# Altium PCB DIOT_Backplane.pcbdoc (part 11 of 11) (continued)
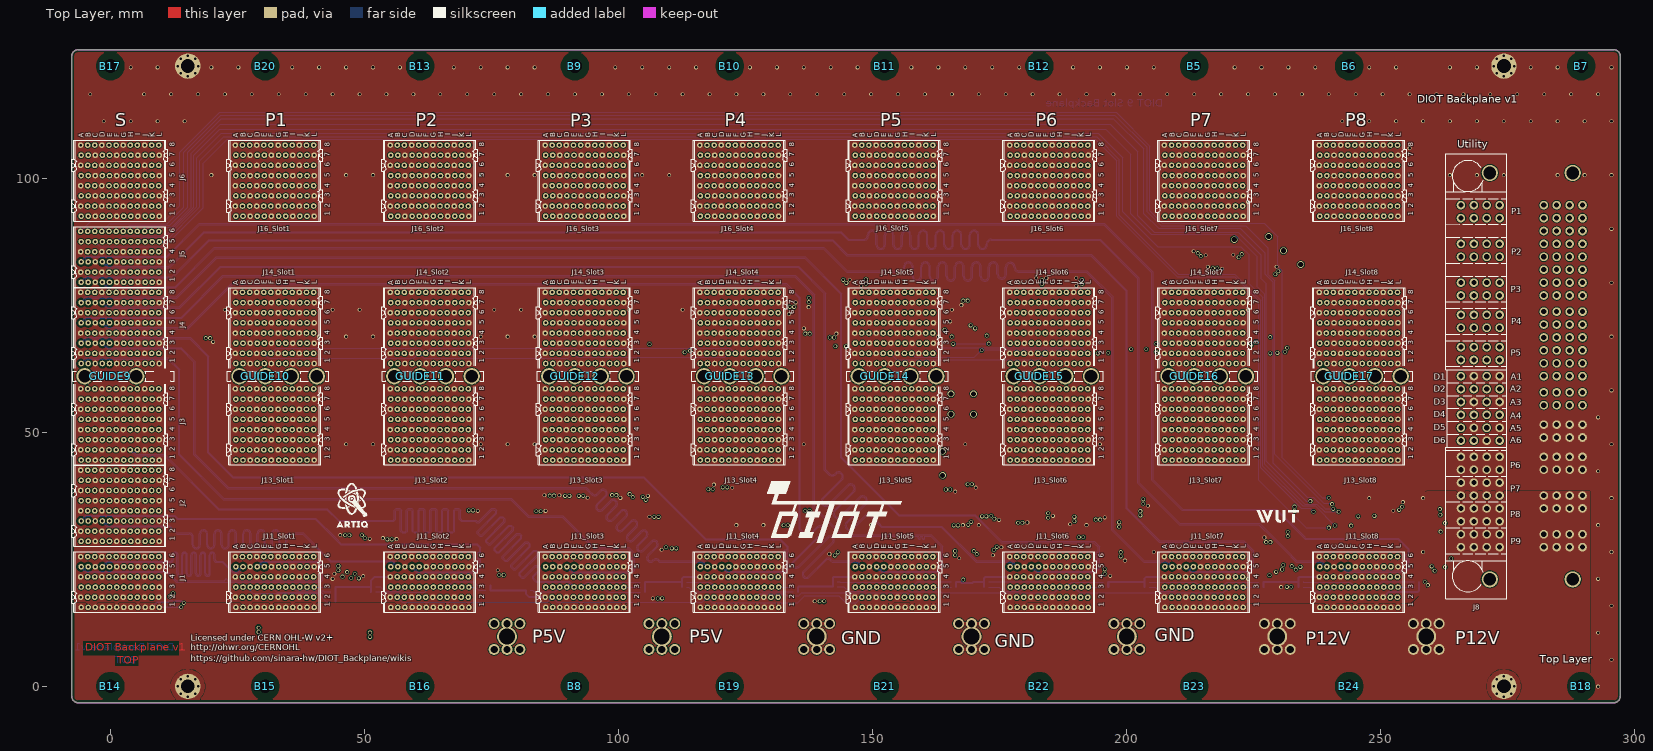
[diagram p0: Top Layer view]
## Nets (pads, with @x,y where several pads share a name; then routed paths per layer and width w, separated by ;. In a path a pad name is that pad's centre, name@x,y a point inside that pad or via, vN(x,y) a via of type N, cw(c..) or ccw(c..) an arc to the next point about the centre after c; other vN are vias at no path point) (continued)

## Polygon pours and split planes (outlines as drawn)
no net on Bottom Courtyard "Board" (solid, pour order 166): -7.599,-1.997 -7.599,124.103 cw(c-6.399,124.103) -6.399,125.303 296.001,125.303 cw(c296.001,124.103) 297.201,124.103 297.201,-1.997 cw(c296.001,-1.997) 296.001,-3.197 -6.399,-3.197 cw(c-6.399,-1.997)
P12V on Bottom Layer "P12V" (solid, remove dead copper, pour order 111): 254.731,-2.716 291.206,-2.738 291.206,38.421 258.941,38.43 258.94,19.17 256.071,16.301 -7.016,16.371 -7.016,13.806 -7.008,13.806 -7.008,-2.7 254.731,-2.7
Vext4 on Bottom Layer "Vext4" (solid, remove dead copper, pour order 164): 264.369,68.899 273.807,68.899 279.533,73.487 cw(c283.969,67.951) 283.969,75.045 292.044,75.045 292.044,80.862 281.02,80.862 273.781,75.274 264.32,75.274 264.32,75.05 260.12,75.05 254.42,69.35 254.42,59.45 253.02,58.05 234.72,58.05 233.02,56.35 233.02,44.55 239.02,38.55 258.22,38.55 264.02,44.35 264.02,68.55
Vext1 on Bottom Layer "Vext1" (solid, remove dead copper, pour order 163): 264.176,90.006 274.416,90.006 280.995,91.022 292.044,91.022 292.044,97.016 264.32,97.016 264.32,97.05 236.72,97.05 231.62,91.95 231.62,62.95 245.02,62.95 245.02,74.322 260.699,90.001 264.171,90.001
Vext2 on Bottom Layer "Vext2" (solid, remove dead copper, pour order 102): 292.044,85.885 280.481,85.885 274.264,81.954 264.32,81.954 264.32,90.006 274.416,90.006 280.995,91.022 292.044,91.022
Vext3 on Bottom Layer "Vext3" (solid, remove dead copper, pour order 104): 292.046,85.885 280.481,85.885 274.264,81.954 264.32,81.954 264.32,75.274 273.781,75.274 281.02,80.862 292.044,80.862
Vext2 on L10 "Vext2" (solid, remove dead copper, pour order 162): 273.156,81.694 279.702,85.833 291.266,85.833 291.266,90.97 280.217,90.97 272.574,89.79 227.02,89.79 227.02,88.05 233.376,81.694 253.42,81.694 253.42,65.55 249.16,65.55 248.94,61.05 254.02,61.05 254.02,61.15 259.52,61.15 259.52,81.694
Vext3 on L10 "Vext3" (solid, remove dead copper, pour order 161): 265.02,75.222 273.003,75.222 280.242,80.81 291.266,80.81 291.268,85.833 279.702,85.833 273.403,81.85 259.82,81.85 256.62,78.65 256.62,61.15 253.69,58.22 253.26,58.65 233.22,58.65 233.22,44.35 236.72,40.85 258.02,40.85 259.62,42.45 259.62,52.85 264.92,58.15 264.92,75.164 cw(c265.262,74.691)
Vext3 on L10 "Vext3" (solid, remove dead copper, pour order 142): 110.82,58.55 110.82,38.05 153.62,38.05 153.62,58.55
P12V on L10 "P12V" (solid, remove dead copper, pour order 123): 264.608,36.428 264.65,36.385 274.979,36.385 274.979,19.309 264.42,8.75 235.52,8.75 235.52,15.55 237.02,17.05 257.32,17.05 264.62,24.35 264.62,30.85
Vext1 on L10 "Vext1" (solid, remove dead copper, pour order 129): 263.597,96.964 263.597,89.954 273.638,89.954 280.217,90.97 291.266,90.97 291.266,96.964
Vext4 on L10 "Vext4" (solid, remove dead copper, pour order 132): 291.266,80.81 280.242,80.81 273.003,75.222 265.02,75.222 265.02,68.847 273.028,68.847 280.699,74.993 291.266,74.993
P5V on L2 "P5V" (solid, remove dead copper, pour order 116): 253.54,-2.7 291.358,-2.704 291.358,68.492 264.82,68.492 264.82,62.803 273.265,62.803 273.27,62.8 274.52,61.55 274.52,21.55 269.27,16.3 254.042,16.3 -7.01,16.32 -7.01,13.8 -7.008,13.8 -7.008,-2.7
Vext3 on L2 "Vext3" (solid, remove dead copper, pour order 156): 265.72,74.45 272.732,74.45 280.842,80.71 291.866,80.71 291.868,85.733 280.302,85.733 274.051,81.636 264.22,81.45 235.82,81.45 235.82,41.25 237.82,39.25 258.92,39.25 263.32,43.65 263.32,56.45 264.52,57.65 264.52,73.25
Vext4 on L2 "Vext4" (solid, remove dead copper, pour order 94): 36.562,50.092 32.52,46.05 32.52,42.75 120.657,42.75 123.357,40.05 165.044,40.05 165.044,50.164
Vext2 on L2 "Vext2" (solid, remove dead copper, pour order 84): 23.42,65.55 23.42,50.55 170.632,50.55 170.632,65.55
Vext2 on L2 "Vext2" (solid, remove dead copper, pour order 155): 264.197,81.592 274.086,81.802 280.302,85.733 291.866,85.733 291.866,90.87 280.817,90.87 274.238,89.854 264.197,89.854 264.197,89.704 226.92,89.704 226.92,88.25 233.564,81.606 264.197,81.652
Vext1 on L2 "V1" (solid, remove dead copper, pour order 134): 264.197,96.864 264.197,89.854 274.238,89.854 280.817,90.87 291.866,90.87 291.866,96.864
Vext4 on L12 "Vext4" (solid, remove dead copper, pour order 140): 255.42,37.05 264.82,46.45 264.82,67.25 265.935,68.365 274.899,68.365 275.788,69.254 275.788,74.309 274.696,75.401 257.871,75.401 256.02,73.55 256.02,58.55 153.52,58.55 153.52,37.05
Vext1 on L12 "Vext1" (solid, remove dead copper, pour order 97): 274.72,97.35 263.72,97.35 259.12,97.35 250.02,88.25 236.72,88.25 233.52,85.05 233.52,61.15 236.02,58.65 255.92,58.65 255.92,79.25 264.12,87.45 264.92,88.25 274.72,88.25
GND on Top Layer "GND" (solid, remove dead copper, pour order 115): -7.143,-2.704 -7.12,124.8 297.201,124.8 297.201,-2.745 281.47,-2.74 281.47,-2.7 269.77,-2.7
P12V on Top Layer "P12V" (solid, remove dead copper, pour order 74): 254.731,-2.716 291.206,-2.738 291.206,38.421 258.941,38.43 258.94,19.07 256.171,16.301 -7.016,16.371 -7.016,13.806 -7.008,13.806 -7.008,-2.7 254.731,-2.7
Vext4 on L4 "Vext4" (solid, remove dead copper, pour order 158): 281.299,74.893 291.866,74.893 291.866,80.71 280.842,80.71 274.063,75.477 260.599,75.477 259.024,73.902 259.024,50.667 254.987,46.63 cw(c255.02,46.597) 255.02,46.55 31.491,46.55 31.491,36.25 259.675,36.25 264.459,41.035 264.459,46.55 264.459,67.298 265.348,68.187 275.331,68.187 275.331,70.111
P12V on L4 "P12V" (solid, remove dead copper, pour order 159): 254.731,-2.716 291.206,-2.738 291.206,38.421 259.821,38.43 259.819,19.949 257.42,17.55 248.14,17.55 246.893,16.303 -7.016,16.371 -7.016,13.806 -7.008,13.806 -7.008,-2.7 254.731,-2.7
Vext1 on L4 "Vext1" (solid, remove dead copper, pour order 86): 258.998,64.732 258.998,82.228 265.481,88.711 275.788,88.711 275.788,96.991 255.836,96.991 254.122,95.277 254.122,65.652 cw(c253.37,65.652) 253.37,64.9 23.063,64.9 23.04,46.65 254.52,46.65 258.998,51.128
Vext3 on L6 "Vext3" (solid, remove dead copper, pour order 88): 265.72,67.85 276.432,67.85 276.432,80.557 261.462,80.557 260.125,79.22 260.125,50.264 256.447,46.586 23.21,46.586 23.21,35.15 264.82,35.15 264.82,66.95 cw(c265.72,66.95)
Vext1 on L6 "Vext1" (solid, remove dead copper, pour order 160): 259.972,82.702 266.016,88.746 276.889,88.746 276.889,97.027 259.972,97.027 255.295,92.35 173.12,92.35 173.12,64.936 23.091,64.936 23.068,46.65 259.972,46.65
P12V on L8 "P12V" (solid, remove dead copper, pour order 157): 254.731,-2.716 291.206,-2.738 291.206,38.421 259.72,38.43 259.719,19.849 257.42,17.55 234.22,17.55 232.977,16.307 -7.016,16.371 -7.016,13.806 -7.008,13.806 -7.008,-2.7 254.731,-2.7
Vext3 on L8 "Vext3" (solid, remove dead copper, pour order 90): 264.72,67.85 275.991,67.85 275.991,80.55 265.42,80.55 258.668,73.798 258.668,50.509 254.709,46.55 23.515,46.55 23.515,42.889 30.254,36.15 259.625,36.15 264.72,41.245
Vext2 on L8 "Vext2" (solid, remove dead copper, pour order 154): 265.62,80.95 275.991,80.95 275.991,91.95 248.62,91.95 247.22,90.55 23.12,90.55 23.12,65.05 23.115,65.05 23.093,46.443 258.694,46.552 258.694,64.9 258.694,74.024
no net on Drill Drawing "CM-eq" (hatched 45Degree grid 2 track 0.15, remove dead copper): 210.54,184.65 210.54,181.65 240.54,181.65 240.54,180.15 260.54,180.15 260.54,181.65 255.54,181.65 255.54,184.65
no net on Drill Drawing "CM-eq" (hatched 45Degree grid 2 track 0.15, remove dead copper): 180.54,136.65 180.54,139.65 200.54,139.65 200.54,136.65
no net on Drill Drawing "CM-eq" (hatched 45Degree grid 2 track 0.15, remove dead copper): 210.54,136.65 210.54,139.65 240.54,139.65 240.54,141.15 260.54,141.15 260.54,139.65 255.54,139.65 255.54,136.65
no net on Drill Drawing "CM-eq" (hatched 45Degree grid 2 track 0.15, remove dead copper, pour order 167): 180.54,181.65 180.54,184.65 200.54,184.65 200.54,181.65
GND on L11GND "GND" (solid, remove dead copper, pour order 65): -7.48,-2.55 -7.48,124.8 297.201,124.8 297.201,-2.745 281.47,-2.74 281.47,-2.7 269.77,-2.7
GND on L13GND "GND" (solid, remove dead copper, pour order 64): -7.48,-2.55 -7.48,124.8 297.201,124.8 297.201,-2.745 281.47,-2.74 281.47,-2.7 269.77,-2.7 269.77,-2.725
GND on L9GND "GND" (solid, remove dead copper, pour order 67): -7.48,-2.55 -7.48,124.8 297.201,124.8 297.201,-2.745 281.47,-2.74 281.47,-2.725 269.77,-2.725
GND on L5GND "GND" (solid, remove dead copper, pour order 68): -7.48,-2.725 -7.48,124.8 297.201,124.8 297.201,-2.745 281.47,-2.74 281.47,-2.725
GND on L3GND "GND" (solid, remove dead copper, pour order 69): -7.48,-2.774 -7.48,124.723 296.727,124.723 296.727,-2.772 280.996,-2.767 269.296,-2.767 269.296,-2.949
GND on L7GND "GND" (solid, remove dead copper, pour order 108): -7.48,-2.55 -7.48,124.8 297.201,124.8 297.201,-2.745 281.47,-2.74 281.47,-2.725 269.77,-2.725

## Keep-outs
Edge.Cuts:
  the board outline again, w0.2

## Other copper
Top Layer:
  text "DIOT Backplane v1" at -4.975,6.986 h1.5
  text "TOP" at 1.375,4.446 h1.5
  text ".Layer_Name" at 113.18,-25.2 h1.91 r45
  text "1" at 112.878,-30.28 h2.54
L2:
  text ".Layer_Name" at 118.26,-25.2 h1.91 r45
  text "2" at 117.414,-30.28 h2.54
L3GND:
  text ".Layer_Name" at 123.34,-25.2 h1.91 r45
  text "3" at 122.494,-30.28 h2.54
L4:
  text ".Layer_Name" at 128.42,-25.2 h1.91 r45
  text "4" at 127.513,-30.28 h2.54
L5GND:
  text ".Layer_Name" at 133.5,-25.2 h1.91 r45
  text "5" at 132.654,-30.28 h2.54
L8:
  pour cut-out: 10.577,16.367 18.194,8.75 68.72,8.75 76.22,16.25
  pour cut-out: 107.644,16.341 111.734,12.25 131.92,12.25 136.02,16.35
  text ".Layer_Name" at 148.74,-25.2 h1.91 r45
  text "8" at 147.894,-30.28 h2.54
L9GND:
  text ".Layer_Name" at 153.82,-25.2 h1.91 r45
  text "9" at 153.034,-30.28 h2.54
L10:
  rectangle net Vext2: 219.62,86.75 229.492,89.8
  text ".Layer_Name" at 158.9,-25.2 h1.91 r45
  text "10" at 157.122,-30.28 h2.54
L11GND:
  text ".Layer_Name" at 163.98,-25.2 h1.91 r45
  text "11" at 162.747,-30.28 h2.54
L12:
  text ".Layer_Name" at 169.06,-25.2 h1.91 r45
  text "12" at 167.282,-30.28 h2.54
L13GND:
  text ".Layer_Name" at 174.14,-25.2 h1.91 r45
  text "13" at 172.362,-30.28 h2.54
L6:
  pour cut-out: 146.277,58.911 146.277,58.168 146.27,58.161 146.277,58.153 152.248,58.153 152.248,58.933 152.234,58.947
  pour cut-out: 184.19,58.136 184.18,58.147 176.75,58.147 176.75,58.915 176.761,58.926 176.856,58.831 184.222,58.831
  text ".Layer_Name" at 138.58,-25.2 h1.91 r45
  text "6" at 137.794,-30.28 h2.54
L7GND:
  text ".Layer_Name" at 143.66,-25.2 h1.91 r45
  text "7" at 142.814,-30.28 h2.54
Bottom Layer:
  text "DIOT 9 Slot Backplane" at 207.27,114.05 h1.5
  text "DIOT Backplane v1" at 12.689,6.992 h1.5
  text "BOT" at 5.185,4.446 h1.5
  text ".Layer_Name" at 179.22,-25.2 h1.91 r45
  text "14" at 177.382,-30.28 h2.54

## Silkscreen, mask and mechanical layers (free items; w line width, h text height)
Top Overlay:
  drawing of 28 lines, arcs and shapes, not listed
  text "DIOT Backplane v1" at 257.245,114.919 h1.5
  text "S" at 0.917,110.267 h2.5
  text "P1" at 30.493,110.267 h2.5
  text "P2" at 60.136,110.267 h2.5
  text "P4" at 120.941,110.267 h2.5
  text "P5" at 151.536,110.267 h2.5
  text "P6" at 182.131,110.267 h2.5
  text "P7" at 212.536,110.267 h2.5
  text "P8" at 243.036,110.267 h2.5
  text "P3" at 90.536,110.167 h2.5
  text "Utility" at 265.12,106.05 h1.5
  text "Licensed under CERN OHL-W v2+" at 15.813,8.957 h1.2
  text "GND" at 205.62,8.85 h2.5
  text "P5V" at 83.02,8.55 h2.5
  text "P5V" at 113.92,8.55 h2.5
  text "GND" at 143.82,8.25 h2.5
  text "P12V" at 264.72,8.25 h2.5
  text "P12V" at 235.32,8.15 h2.5
  text "GND" at 174.12,7.65 h2.5
  text "http://ohwr.org/CERNOHL" at 15.813,7.057 h1.2
  text "https://github.com/sinara-hw/DIOT_Backplane/wikis" at 15.813,4.957 h1.2
  text "Top Layer" at 281.32,4.65 h1.5
  text ".Layer_Name" at 184.3,-25.2 h1.91
Bottom Overlay:
  text "DIOT Backplane v1" at 273.22,114.95 h1.5
  text "P2" at 65.863,110.267 h2.5
  text "S" at 3.183,110.167 h2.5
  text "P1" at 34.606,110.167 h2.5
  text "P3" at 96.463,110.167 h2.5
  text "P4" at 127.059,110.167 h2.5
  text "P5" at 157.463,110.167 h2.5
  text "P6" at 187.868,110.167 h2.5
  text "P7" at 218.463,110.167 h2.5
  text "P8" at 248.863,110.167 h2.5
  text "EXT PSU" at 288.72,105.65 h1.5
  text "P5V" at 72.92,8.65 h2.5
  text "P5V" at 103.82,8.65 h2.5
  text "GND" at 164.62,8.65 h2.5
  text "P12V" at 253.22,8.65 h2.5
  text "GND" at 133.92,8.55 h2.5
  text "GND" at 195.52,8.55 h2.5
  text "P12V" at 224.32,8.35 h2.5
  text "Bottom / Layer" at 291.02,3.95 h1.5
  text ".Layer_Name" at 221.892,-25.2 h1.91
F.Paste:
  text ".Layer_Name" at 184.3,-28.375 h1.91
B.Paste:
  text ".Layer_Name" at 221.892,-28.375 h1.91
Top Solder:
  text ".Layer_Name" at 184.3,-31.55 h1.91
Bottom Solder:
  text ".Layer_Name" at 221.892,-31.55 h1.91
Mechanical 1:
  lines w0.8: -7.6,124.1 cw(c-6.4,124.1) -6.4,125.3 295.98,125.3 ; -7.6,124.103 -7.6,-2 ccw(c-6.4,-2) -6.4,-3.2 296.001,-3.2 ; 296,-3.2 ccw(c296,-2) 297.2,-2 297.2,124.103 ; 296,125.3 cw(c296,124.1) 297.2,124.1
Mechanical 2:
  text "Components" at 237.18,-21.33 h1.91
  text ".Component_Count" at 254.96,-21.33 h1.91
  text "Pins" at 237.18,-23.87 h1.91
  text ".Pad_Count" at 254.96,-23.87 h1.91
  text "Vias" at 237.18,-26.41 h1.91
  text ".Via_Count" at 254.96,-26.41 h1.91
  text "Holes" at 237.18,-28.95 h1.91
  text ".Hole_Count" at 254.96,-28.95 h1.91
  text "Nets" at 237.18,-31.49 h1.91
  text ".Net_Count" at 254.96,-31.49 h1.91
Mechanical 5:
  lines w0.2: -12.599,-3.2 -7.58,-3.2 -7.58,-8.2 ; -12.599,125.3 -7.58,125.3 -7.58,130.3 ; 297.201,-8.2 297.201,-3.2 302.201,-3.2 ; 297.201,130.3 297.201,125.3 302.201,125.3
  lines w0.254: 115.72,-31.55 115.72,-26.47 ; 120.8,-31.55 120.8,-26.47 ; 125.88,-31.55 125.88,-26.47 ; 130.96,-31.55 130.96,-26.47 ; 136.04,-31.55 136.04,-26.47 ; 141.12,-31.55 141.12,-26.47 ; 146.2,-31.55 146.2,-26.47 ; 151.28,-31.55 151.28,-26.47 ; 156.36,-31.55 156.36,-26.47 ; 161.44,-31.55 161.44,-26.47 ; 166.52,-31.55 166.52,-26.47 ; 171.6,-31.55 171.6,-26.47 ; 176.68,-31.55 176.68,-26.47 ; 110.64,-31.55 181.76,-31.55 181.76,-26.47 110.64,-26.47 110.64,-31.55
Drill Drawing:
  drawing of 236 lines, arcs and shapes, not listed
  text "Symbol" at -18.338,191.682 h1.83
  text "Hit Count" at -6.715,191.682 h1.83
  text "Finished Hole Size" at 8.094,191.682 h1.83
  text "Plated" at 33.691,191.682 h1.83
  text "Via/Pad" at 43.772,191.682 h1.83
  text "Hole Tolerance" at 56.248,191.682 h1.83
  text "Description" at 80.592,191.682 h1.83
  text "Via Feature" at 103.643,191.682 h1.83
  text "Via Type" at 132.935,191.682 h1.83
  text "LINE (mm)" at 188.114,189.085 h1.27
  text "CONTROLLED IMPEDANCE +/-10%" at 214.664,188.947 h1.27
  text "Er" at 257.299,188.265 h1.27
  text "LAYER IDENTIFICATION" at 159.411,187.918 h1.27
  text "429" at -6.715,187.872 h1.52
  text "0.50mm (19.69mil)" at 8.094,187.872 h1.52
  text "PTH" at 33.691,187.872 h1.52
  text "Via" at 43.772,187.872 h1.52
  text "FINISHED COPPER THICKNESS" at 200.874,186.973 h1.27
  text "DIELECTRIC THICKNESS *=CRITICAL" at 243.135,186.223 h1.27
  text "WIDTH/GAP" at 191.358,185.66 h1.14
  text "WIDTH" at 183.423,185.579 h1.14
  text "SINGLE" at 215.319,185.515 h1.27
  text "DIFFERENTIAL" at 227.622,185.515 h1.27
  text "32" at -6.715,184.062 h1.52
  text "0.50mm (19.69mil)" at 8.094,184.062 h1.52
  text "PTH" at 33.691,184.062 h1.52
  text "Via" at 43.772,184.062 h1.52
  text "Filling Both, Capping Both" at 103.643,184.062 h1.52
  text "Type 7" at 132.935,184.062 h1.52
  text "TOP SOLDER" at 152.728,182.515 h1.27
  text "SOLDER RESIST" at 166.531,182.515 h1.27
  text "10 um" at 202.846,182.515 h1.27
  text "3.5" at 256.852,182.515 h1.27
  text "3504" at -6.715,180.252 h1.52
  text "0.50mm (19.69mil)" at 8.094,180.252 h1.52
  text "PTH" at 33.691,180.252 h1.52
  text "Pad" at 43.772,180.252 h1.52
  text "+/-0.05mm" at 56.248,180.252 h1.52
  text "PressFit Technology" at 80.592,180.252 h1.52
  text "- / -" at 193.349,179.715 h1.02
  text "-" at 184.996,179.606 h1.27
  text "-" at 217.496,179.606 h1.27
  text "-" at 232.496,179.606 h1.27
  text "TOP LAYER" at 153.294,179.515 h1.27
  text "GND PLANE" at 168.158,179.515 h1.27
  text "35 um" at 202.747,179.515 h1.27
  text "* 0.180 mm" at 242.719,178.015 h1.27
  text "4.3" at 256.852,178.015 h1.27
  text "0.1 / 0.13" at 192.062,176.715 h1.02
  text "-" at 184.996,176.606 h1.27
  text "-" at 217.496,176.606 h1.27
  text "LAYER 2" at 154.424,176.515 h1.27
  text "SIGNAL LAYER" at 167.03,176.515 h1.27
  text "17.5 um" at 202.082,176.515 h1.27
  text "100 ohm" at 229.249,176.515 h1.27
  text "192" at -6.715,176.442 h1.52
  text "1.00mm (39.37mil)" at 8.094,176.442 h1.52
  text "PTH" at 33.691,176.442 h1.52
  text "Pad" at 43.772,176.442 h1.52
  text "+/-0.05mm" at 56.248,176.442 h1.52
  text "PressFit Technology" at 80.592,176.442 h1.52
  text "* 0.200 mm" at 242.619,175.015 h1.27
  text "4.3" at 256.852,175.015 h1.27
  text "- / -" at 193.349,173.715 h1.02
  text "-" at 184.996,173.606 h1.27
  text "-" at 217.496,173.606 h1.27
  text "-" at 232.496,173.606 h1.27
  text "LAYER 3" at 154.424,173.515 h1.27
  text "GND PLANE" at 168.158,173.515 h1.27
  text "17.5 um" at 202.082,173.515 h1.27
  text "10" at -6.715,172.632 h1.52
  text "1.00mm (39.37mil)" at 8.094,172.632 h1.52
  text "PTH" at 33.691,172.632 h1.52
  text "Via" at 43.772,172.632 h1.52
  text "* 0.180 mm" at 242.719,172.015 h1.27
  text "4.3" at 256.852,172.015 h1.27
  text "0.1 / 0.13" at 192.062,170.715 h1.02
  text "-" at 184.996,170.606 h1.27
  text "-" at 217.496,170.606 h1.27
  text "LAYER 4" at 154.394,170.515 h1.27
  text "SIGNAL LAYER" at 167.03,170.515 h1.27
  text "17.5 um" at 202.082,170.515 h1.27
  text "100 ohm" at 229.249,170.515 h1.27
  text "* 0.200 mm" at 242.619,169.015 h1.27
  text "4.3" at 256.852,169.015 h1.27
  text "42" at -6.715,168.822 h1.52
  text "1.45mm (57.09mil)" at 8.094,168.822 h1.52
  text "PTH" at 33.691,168.822 h1.52
  text "Pad" at 43.772,168.822 h1.52
  text "+0.08mm/-0.03mm" at 56.248,168.822 h1.52
  text "Pressfit Technology" at 80.592,168.822 h1.52
  text "- / -" at 193.349,167.715 h1.02
  text "-" at 184.996,167.606 h1.27
  text "-" at 217.496,167.606 h1.27
  text "-" at 232.496,167.606 h1.27
  text "LAYER 5" at 154.424,167.515 h1.27
  text "GND PLANE" at 168.158,167.515 h1.27
  text "17.5 um" at 202.082,167.515 h1.27
  text "* 0.180 mm" at 242.719,166.015 h1.27
  text "4.3" at 256.852,166.015 h1.27
  text "4" at -6.715,165.012 h1.52
  text "2.50mm (98.43mil)" at 8.094,165.012 h1.52
  text "NPTH" at 33.691,165.012 h1.52
  text "Pad" at 43.772,165.012 h1.52
  text "+/-0.00mm" at 56.248,165.012 h1.52
  text "PressFit Technology" at 80.592,165.012 h1.52
  text "0.1 / 0.13" at 192.062,164.715 h1.02
  text "-" at 184.996,164.606 h1.27
  text "-" at 217.496,164.606 h1.27
  text "LAYER 6" at 154.455,164.515 h1.27
  text "SIGNAL LAYER" at 167.03,164.515 h1.27
  text "17.5 um" at 202.082,164.515 h1.27
  text "100 ohm" at 229.249,164.515 h1.27
  text "* 0.200 mm" at 242.619,163.015 h1.27
  text "4.3" at 256.852,163.015 h1.27
  text "- / -" at 193.349,161.715 h1.02
  text "-" at 184.996,161.606 h1.27
  text "-" at 217.496,161.606 h1.27
  text "-" at 232.496,161.606 h1.27
  text "LAYER 7" at 154.424,161.515 h1.27
  text "GND PLANE" at 168.158,161.515 h1.27
  text "17.5 um" at 202.082,161.515 h1.27
  text "34" at -6.715,161.202 h1.52
  text "2.50mm (98.43mil)" at 8.094,161.202 h1.52
  text "PTH" at 33.691,161.202 h1.52
  text "Pad" at 43.772,161.202 h1.52
  text "+/-0.05mm" at 56.248,161.202 h1.52
  text "PressFit Technology" at 80.592,161.202 h1.52
  text "* 1.500 mm" at 242.719,160.015 h1.27
  text "4.3" at 256.852,160.015 h1.27
  text "0.12 / 0.15" at 191.61,158.715 h1.02
  text "-" at 184.996,158.606 h1.27
  text "-" at 217.496,158.606 h1.27
  text "LAYER 8" at 154.424,158.515 h1.27
  text "SIGNAL LAYER" at 167.03,158.515 h1.27
  text "17.5 um" at 202.082,158.515 h1.27
  text "100 ohm" at 229.249,158.515 h1.27
  text "20" at -6.715,157.392 h1.52
  text "2.70mm (106.30mil)" at 8.094,157.392 h1.52
  text "NPTH" at 33.691,157.392 h1.52
  text "Pad" at 43.772,157.392 h1.52
  text "* 0.200 mm" at 242.619,157.015 h1.27
  text "4.3" at 256.852,157.015 h1.27
  text "- / -" at 193.349,155.715 h1.02
  text "-" at 184.996,155.606 h1.27
  text "-" at 217.496,155.606 h1.27
  text "-" at 232.496,155.606 h1.27
  text "LAYER 9" at 154.455,155.515 h1.27
  text "GND PLANE" at 168.158,155.515 h1.27
  text "17.5 um" at 202.082,155.515 h1.27
  text "* 0.180 mm" at 242.719,154.015 h1.27
  text "4.3" at 256.852,154.015 h1.27
  text "4" at -6.715,153.582 h1.52
  text "2.70mm (106.30mil)" at 8.094,153.582 h1.52
  text "PTH" at 33.691,153.582 h1.52
  text "Pad" at 43.772,153.582 h1.52
  text "0.1 / 0.13" at 192.062,152.715 h1.02
  text "-" at 184.996,152.606 h1.27
  text "-" at 217.496,152.606 h1.27
  text "LAYER 10" at 153.959,152.515 h1.27
  text "SIGNAL LAYER" at 167.03,152.515 h1.27
  text "17.5 um" at 202.082,152.515 h1.27
  text "100 ohm" at 229.249,152.515 h1.27
  text "* 0.200 mm" at 242.619,151.015 h1.27
  text "4.3" at 256.852,151.015 h1.27
  text "7" at -6.715,149.772 h1.52
  text "3.10mm (122.05mil)" at 8.094,149.772 h1.52
  text "PTH" at 33.691,149.772 h1.52
  text "Pad" at 43.772,149.772 h1.52
  text "- / -" at 193.349,149.715 h1.02
  text "-" at 184.996,149.606 h1.27
  text "-" at 217.496,149.606 h1.27
  text "-" at 232.496,149.606 h1.27
  text "LAYER 11" at 154.231,149.515 h1.27
  text "GND PLANE" at 168.158,149.515 h1.27
  text "17.5 um" at 202.082,149.515 h1.27
  text "* 0.180 mm" at 242.719,148.015 h1.27
  text "4.3" at 256.852,148.015 h1.27
  text "0.1 / 0.13" at 192.062,146.715 h1.02
  text "-" at 184.996,146.606 h1.27
  text "-" at 217.496,146.606 h1.27
  text "LAYER 12" at 153.959,146.515 h1.27
  text "SIGNAL LAYER" at 167.03,146.515 h1.27
  text "17.5 um" at 202.082,146.515 h1.27
  text "100 ohm" at 229.249,146.515 h1.27
  text "4278 Total" at -6.715,145.962 h1.52
  text "* 0.200 mm" at 242.619,145.015 h1.27
  text "4.3" at 256.852,145.015 h1.27
  text "- / -" at 193.349,143.715 h1.02
  text "-" at 184.996,143.606 h1.27
  text "-" at 217.496,143.606 h1.27
  text "-" at 232.496,143.606 h1.27
  text "LAYER 13" at 153.959,143.515 h1.27
  text "GND PLANE" at 168.158,143.515 h1.27
  text "17.5 um" at 202.082,143.515 h1.27
  text "General tolerances +/-0.05mm unless otherwise stated" at -20.26,142.35 h1.5
  text "* 0.180 mm" at 242.719,142.015 h1.27
  text "4.3" at 256.852,142.015 h1.27
  text "0.15 / 0.1" at 192.2,140.715 h1.02
  text "-" at 184.996,140.606 h1.27
  text "-" at 217.496,140.606 h1.27
  text "BOTTOM LAYER" at 151.498,140.515 h1.27
  text "SIGNAL LAYER" at 167.03,140.515 h1.27
  text "35 um" at 202.747,140.515 h1.27
  text "100 ohm" at 229.249,140.515 h1.27
  text "BOTTOM SOLDER" at 150.933,137.515 h1.27
  text "SOLDER RESIST" at 166.531,137.515 h1.27
  text "10 um" at 202.846,137.515 h1.27
  text "3.5" at 256.852,137.515 h1.27
  text "4.1 mm" at 245.474,134.65 h1
  text "FINISHED BOARD THICKNESS +/-10% :" at 203.613,133.856 h1.27
  text "Filled and Capped Holes (see PCB Specification) / All vias in pads shall be filled and capped. / Vias not in pads may be optionally filled and capped." at -20.46,130.38 h1.8

## Dimensions
-7.58,-3.197 to 0.02,0 on Drill Drawing
-7.599,-3.197 to 0.02,0 on Drill Drawing
-6.4,124.1 to -10.36,128.45 on Drill Drawing
297.201,125.3 to -7.58,125.3 on Mechanical 2
297.201,-3.2 to 297.201,125.3 on Mechanical 2

## Text inside footprints (layer, text, board x,y; h text height)
BUSH1: Drill Drawing "+0.075 -0.025" at 225.431,10.543 h0.75; Drill Drawing "diam. 1.45mm" at 225.87,8.051 h0.75; Drill Drawing "PRESS-FIT TECH." at 225.353,4.618 h0.75
BUSH2: Drill Drawing "+0.075 -0.025" at 165.238,10.543 h0.75; Drill Drawing "diam. 1.45mm" at 165.676,8.051 h0.75; Drill Drawing "PRESS-FIT TECH." at 165.159,4.618 h0.75
BUSH3: Drill Drawing "+0.075 -0.025" at 254.751,10.543 h0.75; Drill Drawing "diam. 1.45mm" at 255.19,8.051 h0.75; Drill Drawing "PRESS-FIT TECH." at 254.673,4.618 h0.75
BUSH4: Drill Drawing "+0.075 -0.025" at 195.815,10.543 h0.75; Drill Drawing "diam. 1.45mm" at 196.253,8.051 h0.75; Drill Drawing "PRESS-FIT TECH." at 195.736,4.618 h0.75
BUSH5: Drill Drawing "PRESS-FIT TECH." at 73.719,4.618 h0.75; Drill Drawing "diam. 1.45mm" at 74.236,8.051 h0.75; Drill Drawing "+0.075 -0.025" at 73.798,10.543 h0.75
BUSH6: Drill Drawing "+0.075 -0.025" at 104.278,10.543 h0.75; Drill Drawing "diam. 1.45mm" at 104.716,8.051 h0.75; Drill Drawing "PRESS-FIT TECH." at 104.199,4.618 h0.75
BUSH7: Drill Drawing "+0.075 -0.025" at 134.758,10.543 h0.75; Drill Drawing "diam. 1.45mm" at 135.196,8.051 h0.75; Drill Drawing "PRESS-FIT TECH." at 134.679,4.618 h0.75
GUIDE9: Drill Drawing "PRESS-FIT TECH." at -3.08,61.25 h1; Drill Drawing "diam. 2.5mm +/-0.05" at -5.48,59.75 h1
J1: Drill Drawing "PRESS-FIT TECHNOLOGY" at -6.545,16.802 h1; Drill Drawing "Diam. 0.5mm +/-0.05" at -6.545,15.302 h1; Top Overlay "6" at 12.67,25.281 h1 r90; Top Overlay "5" at 12.67,23.233 h1 r90; Top Overlay "4" at 12.67,21.186 h1 r90; Top Overlay "3" at 12.67,19.233 h1 r90; Top Overlay "2" at 12.67,17.233 h1 r90; Top Overlay "1" at 12.67,15.662 h1 r90; Mechanical 14 "L" at 9.12,27.75 h1 r270; Mechanical 14 "6" at 11.67,25.9 h1 r270; Mechanical 14 "K" at 7.72,27.75 h1 r270; Mechanical 14 "J" at 6.32,27.75 h1 r270; Mechanical 14 "5" at 11.67,23.9 h1 r270; Mechanical 14 "4" at 11.67,21.9 h1 r270; Mechanical 14 "I" at 4.92,27.5 h1 r270; Mechanical 14 "H" at 3.52,27.75 h1 r270; Mechanical 14 "G" at 2.12,27.75 h1 r270; Mechanical 14 "3" at 11.67,19.9 h1 r270; Mechanical 14 "2" at 11.67,17.9 h1 r270; Mechanical 14 "1" at 11.67,15.9 h1 r270; Mechanical 14 "F" at 0.72,27.75 h1 r270; Mechanical 14 "E" at -0.68,27.75 h1 r270; Mechanical 14 "D" at -2.08,27.75 h1 r270; Mechanical 14 "C" at -3.48,27.75 h1 r270; Mechanical 14 "B" at -4.88,27.75 h1 r270; Mechanical 14 "A" at -6.28,27.75 h1 r270
J2: Drill Drawing "PRESS-FIT TECHNOLOGY" at -6.645,29.802 h1; Drill Drawing "Diam. 0.5mm +/-0.05" at -6.645,28.302 h1; Top Overlay "8" at 12.67,42.233 h1 r90; Top Overlay "7" at 12.67,40.233 h1 r90; Top Overlay "6" at 12.67,38.281 h1 r90; Top Overlay "5" at 12.67,36.233 h1 r90; Top Overlay "4" at 12.67,34.186 h1 r90; Top Overlay "3" at 12.67,32.233 h1 r90; Top Overlay "2" at 12.67,30.233 h1 r90; Top Overlay "1" at 12.67,28.662 h1 r90; Mechanical 14 "8" at 11.67,42.9 h1 r270; Mechanical 14 "L" at 9.12,44.75 h1 r270; Mechanical 14 "7" at 11.67,40.9 h1 r270; Mechanical 14 "K" at 7.72,44.75 h1 r270; Mechanical 14 "J" at 6.32,44.75 h1 r270; Mechanical 14 "6" at 11.67,38.9 h1 r270; Mechanical 14 "5" at 11.67,36.9 h1 r270; Mechanical 14 "I" at 4.92,44.5 h1 r270; Mechanical 14 "H" at 3.52,44.75 h1 r270; Mechanical 14 "G" at 2.12,44.75 h1 r270; Mechanical 14 "4" at 11.67,34.9 h1 r270; Mechanical 14 "3" at 11.67,32.9 h1 r270; Mechanical 14 "2" at 11.67,30.9 h1 r270; Mechanical 14 "1" at 11.67,28.9 h1 r270; Mechanical 14 "F" at 0.72,44.75 h1 r270; Mechanical 14 "E" at -0.68,44.75 h1 r270; Mechanical 14 "D" at -2.08,44.75 h1 r270; Mechanical 14 "C" at -3.48,44.75 h1 r270; Mechanical 14 "B" at -4.88,44.75 h1 r270; Mechanical 14 "A" at -6.28,44.75 h1 r270
J3: Drill Drawing "PRESS-FIT TECHNOLOGY" at -6.645,45.802 h1; Drill Drawing "Diam. 0.5mm +/-0.05" at -6.645,44.302 h1; Top Overlay "8" at 12.67,58.233 h1 r90; Top Overlay "7" at 12.67,56.233 h1 r90; Top Overlay "6" at 12.67,54.281 h1 r90; Top Overlay "5" at 12.67,52.233 h1 r90; Top Overlay "4" at 12.67,50.186 h1 r90; Top Overlay "3" at 12.67,48.233 h1 r90; Top Overlay "2" at 12.67,46.233 h1 r90; Top Overlay "1" at 12.67,44.662 h1 r90; Mechanical 14 "8" at 11.67,58.9 h1 r270; Mechanical 14 "L" at 9.12,60.75 h1 r270; Mechanical 14 "7" at 11.67,56.9 h1 r270; Mechanical 14 "K" at 7.72,60.75 h1 r270; Mechanical 14 "J" at 6.32,60.75 h1 r270; Mechanical 14 "6" at 11.67,54.9 h1 r270; Mechanical 14 "5" at 11.67,52.9 h1 r270; Mechanical 14 "I" at 4.92,60.5 h1 r270; Mechanical 14 "H" at 3.52,60.75 h1 r270; Mechanical 14 "G" at 2.12,60.75 h1 r270; Mechanical 14 "4" at 11.67,50.9 h1 r270; Mechanical 14 "3" at 11.67,48.9 h1 r270; Mechanical 14 "2" at 11.67,46.9 h1 r270; Mechanical 14 "1" at 11.67,44.9 h1 r270; Mechanical 14 "F" at 0.72,60.75 h1 r270; Mechanical 14 "E" at -0.68,60.75 h1 r270; Mechanical 14 "D" at -2.08,60.75 h1 r270; Mechanical 14 "C" at -3.48,60.75 h1 r270; Mechanical 14 "B" at -4.88,60.75 h1 r270; Mechanical 14 "A" at -6.28,60.75 h1 r270
J4: Drill Drawing "PRESS-FIT TECHNOLOGY" at -6.645,64.802 h1; Drill Drawing "Diam. 0.5mm +/-0.05" at -6.645,63.302 h1; Top Overlay "8" at 12.67,77.233 h1 r90; Top Overlay "7" at 12.67,75.233 h1 r90; Top Overlay "6" at 12.67,73.281 h1 r90; Top Overlay "5" at 12.67,71.233 h1 r90; Top Overlay "4" at 12.67,69.186 h1 r90; Top Overlay "3" at 12.67,67.233 h1 r90; Top Overlay "2" at 12.67,65.233 h1 r90; Top Overlay "1" at 12.67,63.662 h1 r90; Mechanical 14 "8" at 11.67,77.9 h1 r270; Mechanical 14 "L" at 9.12,79.75 h1 r270; Mechanical 14 "7" at 11.67,75.9 h1 r270; Mechanical 14 "K" at 7.72,79.75 h1 r270; Mechanical 14 "J" at 6.32,79.75 h1 r270; Mechanical 14 "6" at 11.67,73.9 h1 r270; Mechanical 14 "5" at 11.67,71.9 h1 r270; Mechanical 14 "I" at 4.92,79.5 h1 r270; Mechanical 14 "H" at 3.52,79.75 h1 r270; Mechanical 14 "G" at 2.12,79.75 h1 r270; Mechanical 14 "4" at 11.67,69.9 h1 r270; Mechanical 14 "3" at 11.67,67.9 h1 r270; Mechanical 14 "2" at 11.67,65.9 h1 r270; Mechanical 14 "1" at 11.67,63.9 h1 r270; Mechanical 14 "F" at 0.72,79.75 h1 r270; Mechanical 14 "E" at -0.68,79.75 h1 r270; Mechanical 14 "D" at -2.08,79.75 h1 r270; Mechanical 14 "C" at -3.48,79.75 h1 r270; Mechanical 14 "B" at -4.88,79.75 h1 r270; Mechanical 14 "A" at -6.28,79.75 h1 r270
J5: Drill Drawing "PRESS-FIT TECHNOLOGY" at -6.545,80.802 h1; Drill Drawing "Diam. 0.5mm +/-0.05" at -6.545,79.302 h1; Top Overlay "6" at 12.67,89.281 h1 r90; Top Overlay "5" at 12.67,87.233 h1 r90; Top Overlay "4" at 12.67,85.186 h1 r90; Top Overlay "3" at 12.67,83.233 h1 r90; Top Overlay "2" at 12.67,81.233 h1 r90; Top Overlay "1" at 12.67,79.662 h1 r90; Mechanical 14 "L" at 9.12,91.75 h1 r270; Mechanical 14 "6" at 11.67,89.9 h1 r270; Mechanical 14 "K" at 7.72,91.75 h1 r270; Mechanical 14 "J" at 6.32,91.75 h1 r270; Mechanical 14 "5" at 11.67,87.9 h1 r270; Mechanical 14 "4" at 11.67,85.9 h1 r270; Mechanical 14 "I" at 4.92,91.5 h1 r270; Mechanical 14 "H" at 3.52,91.75 h1 r270; Mechanical 14 "G" at 2.12,91.75 h1 r270; Mechanical 14 "3" at 11.67,83.9 h1 r270; Mechanical 14 "2" at 11.67,81.9 h1 r270; Mechanical 14 "1" at 11.67,79.9 h1 r270; Mechanical 14 "F" at 0.72,91.75 h1 r270; Mechanical 14 "E" at -0.68,91.75 h1 r270; Mechanical 14 "D" at -2.08,91.75 h1 r270; Mechanical 14 "C" at -3.48,91.75 h1 r270; Mechanical 14 "B" at -4.88,91.75 h1 r270; Mechanical 14 "A" at -6.28,91.75 h1 r270
J6: Drill Drawing "PRESS-FIT TECHNOLOGY" at -6.645,93.802 h1; Drill Drawing "Diam. 0.5mm +/-0.05" at -6.645,92.302 h1; Top Overlay "L" at 10.12,108.179 h1 r90; Top Overlay "8" at 12.67,106.233 h1 r90; Top Overlay "7" at 12.67,104.233 h1 r90; Top Overlay "K" at 8.72,108.083 h1 r90; Top Overlay "J" at 7.32,108.274 h1 r90; Top Overlay "6" at 12.67,102.281 h1 r90; Top Overlay "5" at 12.67,100.233 h1 r90; Top Overlay "I" at 5.92,108.5 h1 r90; Top Overlay "H" at 4.52,108.083 h1 r90; Top Overlay "G" at 3.12,108.036 h1 r90; Top Overlay "4" at 12.67,98.186 h1 r90; Top Overlay "3" at 12.67,96.233 h1 r90; Top Overlay "2" at 12.67,94.233 h1 r90; Top Overlay "1" at 12.67,92.662 h1 r90; Top Overlay "F" at 1.72,108.131 h1 r90; Top Overlay "E" at 0.32,108.131 h1 r90; Top Overlay "D" at -1.08,108.083 h1 r90; Top Overlay "C" at -2.48,108.036 h1 r90; Top Overlay "B" at -3.88,108.083 h1 r90; Top Overlay "A" at -5.28,107.988 h1 r90; Mechanical 14 "L" at 9.12,108.75 h1 r270; Mechanical 14 "8" at 11.67,106.9 h1 r270; Mechanical 14 "7" at 11.67,104.9 h1 r270; Mechanical 14 "K" at 7.72,108.75 h1 r270; Mechanical 14 "J" at 6.32,108.75 h1 r270; Mechanical 14 "6" at 11.67,102.9 h1 r270; Mechanical 14 "5" at 11.67,100.9 h1 r270; Mechanical 14 "I" at 4.92,108.5 h1 r270; Mechanical 14 "H" at 3.52,108.75 h1 r270; Mechanical 14 "G" at 2.12,108.75 h1 r270; Mechanical 14 "4" at 11.67,98.9 h1 r270; Mechanical 14 "3" at 11.67,96.9 h1 r270; Mechanical 14 "2" at 11.67,94.9 h1 r270; Mechanical 14 "1" at 11.67,92.9 h1 r270; Mechanical 14 "F" at 0.72,108.75 h1 r270; Mechanical 14 "E" at -0.68,108.75 h1 r270; Mechanical 14 "D" at -2.08,108.75 h1 r270; Mechanical 14 "C" at -3.48,108.75 h1 r270; Mechanical 14 "B" at -4.88,108.75 h1 r270; Mechanical 14 "A" at -6.28,108.75 h1 r270
J7: Drill Drawing "PRESS-FIT TECHNOLOGY diam. 1mm +0.05 -0.05" at 279.874,54.07 h1 r270; Bottom Overlay "D1" at 278.598,60.555 h1.2; Bottom Overlay "D2" at 278.598,63.095 h1.2; Bottom Overlay "D3" at 278.598,65.635 h1.2; Bottom Overlay "D4" at 278.598,68.175 h1.2; Bottom Overlay "D5" at 278.598,70.615 h1.2; Bottom Overlay "D6" at 278.598,73.255 h1.2; Bottom Overlay "P1" at 293.698,27.915 h1.2; Bottom Overlay "P2" at 293.698,35.665 h1.2; Bottom Overlay "P3" at 293.698,43.415 h1.2; Bottom Overlay "P4" at 293.698,49.665 h1.2; Bottom Overlay "P5" at 293.698,55.915 h1.2; Bottom Overlay "A1" at 293.998,60.465 h1.2; Bottom Overlay "A2" at 293.998,62.965 h1.2; Bottom Overlay "A3" at 293.998,65.465 h1.2; Bottom Overlay "A4" at 293.998,68.215 h1.2; Bottom Overlay "A5" at 293.998,70.715 h1.2; Bottom Overlay "A6" at 293.998,73.215 h1.2; Bottom Overlay "P6" at 293.698,77.665 h1.2; Bottom Overlay "P7" at 293.698,82.665 h1.2; Bottom Overlay "P8" at 293.698,87.665 h1.2; Bottom Overlay "P9" at 293.698,92.915 h1.2; Mechanical 14 "D2" at 278.598,63.095 h1.2; Mechanical 14 "D1" at 278.598,60.555 h1.2; Mechanical 14 "D3" at 278.598,65.635 h1.2; Mechanical 14 "D4" at 278.598,68.175 h1.2; Mechanical 14 "D5" at 278.598,70.615 h1.2; Mechanical 14 "D6" at 278.598,73.255 h1.2; Mechanical 14 "P1" at 293.698,27.915 h1.2; Mechanical 14 "P2" at 293.698,35.665 h1.2; Mechanical 14 "P3" at 293.698,43.415 h1.2; Mechanical 14 "P4" at 293.698,49.665 h1.2; Mechanical 14 "P5" at 293.698,55.915 h1.2; Mechanical 14 "A1" at 293.998,60.465 h1.2; Mechanical 14 "A2" at 293.998,62.965 h1.2; Mechanical 14 "A3" at 293.998,65.465 h1.2; Mechanical 14 "A4" at 293.998,68.215 h1.2; Mechanical 14 "A5" at 293.998,70.715 h1.2; Mechanical 14 "A6" at 293.998,73.215 h1.2; Mechanical 14 "P6" at 293.698,77.665 h1.2; Mechanical 14 "P7" at 293.698,82.665 h1.2; Mechanical 14 "P8" at 293.698,87.665 h1.2; Mechanical 14 "P9" at 293.698,92.915 h1.2
J8: Drill Drawing "PRESS-FIT TECHNOLOGY diam. 1mm +0.05 -0.05" at 263.564,68.05 h1 r270; Top Overlay "P1" at 275.77,92.95 h1.2; Top Overlay "P2" at 275.77,84.95 h1.2; Top Overlay "P3" at 275.67,77.55 h1.2; Top Overlay "P4" at 275.77,71.25 h1.2; Top Overlay "P5" at 275.67,65.05 h1.2; Top Overlay "A1" at 275.67,60.35 h1.2; Top Overlay "A2" at 275.57,57.95 h1.2; Top Overlay "A3" at 275.57,55.35 h1.2; Top Overlay "A4" at 275.57,52.65 h1.2; Top Overlay "A5" at 275.57,50.25 h1.2; Top Overlay "A6" at 275.57,47.85 h1.2; Top Overlay "P6" at 275.57,42.95 h1.2; Top Overlay "P7" at 275.57,38.35 h1.2; Top Overlay "P8" at 275.57,33.25 h1.2; Top Overlay "P9" at 275.67,27.95 h1.2; Top Overlay "D1" at 260.47,60.35 h1.2; Top Overlay "D2" at 260.47,57.95 h1.2; Top Overlay "D3" at 260.47,55.45 h1.2; Top Overlay "D4" at 260.47,52.95 h1.2; Top Overlay "D5" at 260.47,50.45 h1.2; Top Overlay "D6" at 260.47,47.85 h1.2; Mechanical 14 "P1" at 277.388,94.205 h1.2 r180; Mechanical 14 "P2" at 277.388,86.455 h1.2 r180; Mechanical 14 "P3" at 277.388,78.705 h1.2 r180; Mechanical 14 "P4" at 277.388,72.455 h1.2 r180; Mechanical 14 "P5" at 277.388,66.205 h1.2 r180; Mechanical 14 "A1" at 277.688,61.655 h1.2 r180; Mechanical 14 "A2" at 277.688,59.155 h1.2 r180; Mechanical 14 "A3" at 277.688,56.655 h1.2 r180; Mechanical 14 "A4" at 277.688,53.905 h1.2 r180; Mechanical 14 "A5" at 277.688,51.405 h1.2 r180; Mechanical 14 "A6" at 277.688,48.905 h1.2 r180; Mechanical 14 "P6" at 277.388,44.455 h1.2 r180; Mechanical 14 "P7" at 277.388,39.455 h1.2 r180; Mechanical 14 "P8" at 277.388,34.455 h1.2 r180; Mechanical 14 "P9" at 277.388,29.205 h1.2 r180; Mechanical 14 "D1" at 262.288,61.565 h1.2 r180; Mechanical 14 "D2" at 262.288,59.025 h1.2 r180; Mechanical 14 "D3" at 262.288,56.485 h1.2 r180; Mechanical 14 "D4" at 262.288,53.945 h1.2 r180; Mechanical 14 "D6" at 262.288,48.865 h1.2 r180; Mechanical 14 "D5" at 262.288,51.505 h1.2 r180
J11_Slot1: Drill Drawing "Diam. 0.5mm +/-0.05" at 23.95,11.55 h1; Drill Drawing "PRESS-FIT TECHNOLOGY" at 23.95,13.05 h1; Top Overlay "A" at 25.2,26.988 h1 r90; Top Overlay "B" at 26.6,27.083 h1 r90; Top Overlay "C" at 28,27.036 h1 r90; Top Overlay "D" at 29.4,27.083 h1 r90; Top Overlay "E" at 30.8,27.131 h1 r90; Top Overlay "F" at 32.2,27.131 h1 r90; Top Overlay "1" at 43.15,15.662 h1 r90; Top Overlay "2" at 43.15,17.233 h1 r90; Top Overlay "3" at 43.15,19.233 h1 r90; Top Overlay "G" at 33.6,27.036 h1 r90; Top Overlay "H" at 35,27.083 h1 r90; Top Overlay "I" at 36.4,27.5 h1 r90; Top Overlay "4" at 43.15,21.186 h1 r90; Top Overlay "5" at 43.15,23.233 h1 r90; Top Overlay "J" at 37.8,27.274 h1 r90; Top Overlay "K" at 39.2,27.083 h1 r90; Top Overlay "6" at 43.15,25.281 h1 r90; Top Overlay "L" at 40.6,27.179 h1 r90; Mechanical 14 "A" at 24.2,27.75 h1 r270; Mechanical 14 "B" at 25.6,27.75 h1 r270; Mechanical 14 "C" at 27,27.75 h1 r270; Mechanical 14 "D" at 28.4,27.75 h1 r270; Mechanical 14 "E" at 29.8,27.75 h1 r270; Mechanical 14 "F" at 31.2,27.75 h1 r270; Mechanical 14 "1" at 42.15,15.9 h1 r270; Mechanical 14 "2" at 42.15,17.9 h1 r270; Mechanical 14 "3" at 42.15,19.9 h1 r270; Mechanical 14 "G" at 32.6,27.75 h1 r270; Mechanical 14 "H" at 34,27.75 h1 r270; Mechanical 14 "I" at 35.4,27.5 h1 r270; Mechanical 14 "4" at 42.15,21.9 h1 r270; Mechanical 14 "5" at 42.15,23.9 h1 r270; Mechanical 14 "J" at 36.8,27.75 h1 r270; Mechanical 14 "K" at 38.2,27.75 h1 r270; Mechanical 14 "6" at 42.15,25.9 h1 r270; Mechanical 14 "L" at 39.6,27.75 h1 r270
J11_Slot2: Drill Drawing "Diam. 0.5mm +/-0.05" at 54.43,11.55 h1; Drill Drawing "PRESS-FIT TECHNOLOGY" at 54.43,13.05 h1; Top Overlay "A" at 55.68,26.988 h1 r90; Top Overlay "B" at 57.08,27.083 h1 r90; Top Overlay "C" at 58.48,27.036 h1 r90; Top Overlay "D" at 59.88,27.083 h1 r90; Top Overlay "E" at 61.28,27.131 h1 r90; Top Overlay "F" at 62.68,27.131 h1 r90; Top Overlay "1" at 73.63,15.662 h1 r90; Top Overlay "2" at 73.63,17.233 h1 r90; Top Overlay "3" at 73.63,19.233 h1 r90; Top Overlay "G" at 64.08,27.036 h1 r90; Top Overlay "H" at 65.48,27.083 h1 r90; Top Overlay "I" at 66.88,27.5 h1 r90; Top Overlay "4" at 73.63,21.186 h1 r90; Top Overlay "5" at 73.63,23.233 h1 r90; Top Overlay "J" at 68.28,27.274 h1 r90; Top Overlay "K" at 69.68,27.083 h1 r90; Top Overlay "6" at 73.63,25.281 h1 r90; Top Overlay "L" at 71.08,27.179 h1 r90; Mechanical 14 "A" at 54.68,27.75 h1 r270; Mechanical 14 "B" at 56.08,27.75 h1 r270; Mechanical 14 "C" at 57.48,27.75 h1 r270; Mechanical 14 "D" at 58.88,27.75 h1 r270; Mechanical 14 "E" at 60.28,27.75 h1 r270; Mechanical 14 "F" at 61.68,27.75 h1 r270; Mechanical 14 "1" at 72.63,15.9 h1 r270; Mechanical 14 "2" at 72.63,17.9 h1 r270; Mechanical 14 "3" at 72.63,19.9 h1 r270; Mechanical 14 "G" at 63.08,27.75 h1 r270; Mechanical 14 "H" at 64.48,27.75 h1 r270; Mechanical 14 "I" at 65.88,27.5 h1 r270; Mechanical 14 "4" at 72.63,21.9 h1 r270; Mechanical 14 "5" at 72.63,23.9 h1 r270; Mechanical 14 "J" at 67.28,27.75 h1 r270; Mechanical 14 "K" at 68.68,27.75 h1 r270; Mechanical 14 "6" at 72.63,25.9 h1 r270; Mechanical 14 "L" at 70.08,27.75 h1 r270
J11_Slot3: Drill Drawing "Diam. 0.5mm +/-0.05" at 84.91,11.55 h1; Drill Drawing "PRESS-FIT TECHNOLOGY" at 84.91,13.05 h1; Top Overlay "A" at 86.16,26.988 h1 r90; Top Overlay "B" at 87.56,27.083 h1 r90; Top Overlay "C" at 88.96,27.036 h1 r90; Top Overlay "D" at 90.36,27.083 h1 r90; Top Overlay "E" at 91.76,27.131 h1 r90; Top Overlay "F" at 93.16,27.131 h1 r90; Top Overlay "1" at 104.11,15.662 h1 r90; Top Overlay "2" at 104.11,17.233 h1 r90; Top Overlay "3" at 104.11,19.233 h1 r90; Top Overlay "G" at 94.56,27.036 h1 r90; Top Overlay "H" at 95.96,27.083 h1 r90; Top Overlay "I" at 97.36,27.5 h1 r90; Top Overlay "4" at 104.11,21.186 h1 r90; Top Overlay "5" at 104.11,23.233 h1 r90; Top Overlay "J" at 98.76,27.274 h1 r90; Top Overlay "K" at 100.16,27.083 h1 r90; Top Overlay "6" at 104.11,25.281 h1 r90; Top Overlay "L" at 101.56,27.179 h1 r90; Mechanical 14 "A" at 85.16,27.75 h1 r270; Mechanical 14 "B" at 86.56,27.75 h1 r270; Mechanical 14 "C" at 87.96,27.75 h1 r270; Mechanical 14 "D" at 89.36,27.75 h1 r270; Mechanical 14 "E" at 90.76,27.75 h1 r270; Mechanical 14 "F" at 92.16,27.75 h1 r270; Mechanical 14 "1" at 103.11,15.9 h1 r270; Mechanical 14 "2" at 103.11,17.9 h1 r270; Mechanical 14 "3" at 103.11,19.9 h1 r270; Mechanical 14 "G" at 93.56,27.75 h1 r270; Mechanical 14 "H" at 94.96,27.75 h1 r270; Mechanical 14 "I" at 96.36,27.5 h1 r270; Mechanical 14 "4" at 103.11,21.9 h1 r270; Mechanical 14 "5" at 103.11,23.9 h1 r270; Mechanical 14 "J" at 97.76,27.75 h1 r270; Mechanical 14 "K" at 99.16,27.75 h1 r270; Mechanical 14 "6" at 103.11,25.9 h1 r270; Mechanical 14 "L" at 100.56,27.75 h1 r270
J11_Slot4: Drill Drawing "Diam. 0.5mm +/-0.05" at 115.39,11.55 h1; Drill Drawing "PRESS-FIT TECHNOLOGY" at 115.39,13.05 h1; Top Overlay "A" at 116.64,26.988 h1 r90; Top Overlay "B" at 118.04,27.083 h1 r90; Top Overlay "C" at 119.44,27.036 h1 r90; Top Overlay "D" at 120.84,27.083 h1 r90; Top Overlay "E" at 122.24,27.131 h1 r90; Top Overlay "F" at 123.64,27.131 h1 r90; Top Overlay "1" at 134.59,15.662 h1 r90; Top Overlay "2" at 134.59,17.233 h1 r90; Top Overlay "3" at 134.59,19.233 h1 r90; Top Overlay "G" at 125.04,27.036 h1 r90; Top Overlay "H" at 126.44,27.083 h1 r90; Top Overlay "I" at 127.84,27.5 h1 r90; Top Overlay "4" at 134.59,21.186 h1 r90; Top Overlay "5" at 134.59,23.233 h1 r90; Top Overlay "J" at 129.24,27.274 h1 r90; Top Overlay "K" at 130.64,27.083 h1 r90; Top Overlay "6" at 134.59,25.281 h1 r90; Top Overlay "L" at 132.04,27.179 h1 r90; Mechanical 14 "A" at 115.64,27.75 h1 r270; Mechanical 14 "B" at 117.04,27.75 h1 r270; Mechanical 14 "C" at 118.44,27.75 h1 r270; Mechanical 14 "D" at 119.84,27.75 h1 r270; Mechanical 14 "E" at 121.24,27.75 h1 r270; Mechanical 14 "F" at 122.64,27.75 h1 r270; Mechanical 14 "1" at 133.59,15.9 h1 r270; Mechanical 14 "2" at 133.59,17.9 h1 r270; Mechanical 14 "3" at 133.59,19.9 h1 r270; Mechanical 14 "G" at 124.04,27.75 h1 r270; Mechanical 14 "H" at 125.44,27.75 h1 r270; Mechanical 14 "I" at 126.84,27.5 h1 r270; Mechanical 14 "4" at 133.59,21.9 h1 r270; Mechanical 14 "5" at 133.59,23.9 h1 r270; Mechanical 14 "J" at 128.24,27.75 h1 r270; Mechanical 14 "K" at 129.64,27.75 h1 r270; Mechanical 14 "6" at 133.59,25.9 h1 r270; Mechanical 14 "L" at 131.04,27.75 h1 r270
J11_Slot5: Drill Drawing "Diam. 0.5mm +/-0.05" at 145.87,11.55 h1; Drill Drawing "PRESS-FIT TECHNOLOGY" at 145.87,13.05 h1; Top Overlay "A" at 147.12,26.988 h1 r90; Top Overlay "B" at 148.52,27.083 h1 r90; Top Overlay "C" at 149.92,27.036 h1 r90; Top Overlay "D" at 151.32,27.083 h1 r90; Top Overlay "E" at 152.72,27.131 h1 r90; Top Overlay "F" at 154.12,27.131 h1 r90; Top Overlay "1" at 165.07,15.662 h1 r90; Top Overlay "2" at 165.07,17.233 h1 r90; Top Overlay "3" at 165.07,19.233 h1 r90; Top Overlay "G" at 155.52,27.036 h1 r90; Top Overlay "H" at 156.92,27.083 h1 r90; Top Overlay "I" at 158.32,27.5 h1 r90; Top Overlay "4" at 165.07,21.186 h1 r90; Top Overlay "5" at 165.07,23.233 h1 r90; Top Overlay "J" at 159.72,27.274 h1 r90; Top Overlay "K" at 161.12,27.083 h1 r90; Top Overlay "6" at 165.07,25.281 h1 r90; Top Overlay "L" at 162.52,27.179 h1 r90; Mechanical 14 "A" at 146.12,27.75 h1 r270; Mechanical 14 "B" at 147.52,27.75 h1 r270; Mechanical 14 "C" at 148.92,27.75 h1 r270; Mechanical 14 "D" at 150.32,27.75 h1 r270; Mechanical 14 "E" at 151.72,27.75 h1 r270; Mechanical 14 "F" at 153.12,27.75 h1 r270; Mechanical 14 "1" at 164.07,15.9 h1 r270; Mechanical 14 "2" at 164.07,17.9 h1 r270; Mechanical 14 "3" at 164.07,19.9 h1 r270; Mechanical 14 "G" at 154.52,27.75 h1 r270; Mechanical 14 "H" at 155.92,27.75 h1 r270; Mechanical 14 "I" at 157.32,27.5 h1 r270; Mechanical 14 "4" at 164.07,21.9 h1 r270; Mechanical 14 "5" at 164.07,23.9 h1 r270; Mechanical 14 "J" at 158.72,27.75 h1 r270; Mechanical 14 "K" at 160.12,27.75 h1 r270; Mechanical 14 "6" at 164.07,25.9 h1 r270; Mechanical 14 "L" at 161.52,27.75 h1 r270
J11_Slot6: Drill Drawing "Diam. 0.5mm +/-0.05" at 176.35,11.55 h1; Drill Drawing "PRESS-FIT TECHNOLOGY" at 176.35,13.05 h1; Top Overlay "A" at 177.6,26.988 h1 r90; Top Overlay "B" at 179,27.083 h1 r90; Top Overlay "C" at 180.4,27.036 h1 r90; Top Overlay "D" at 181.8,27.083 h1 r90; Top Overlay "E" at 183.2,27.131 h1 r90; Top Overlay "F" at 184.6,27.131 h1 r90; Top Overlay "1" at 195.55,15.662 h1 r90; Top Overlay "2" at 195.55,17.233 h1 r90; Top Overlay "3" at 195.55,19.233 h1 r90; Top Overlay "G" at 186,27.036 h1 r90; Top Overlay "H" at 187.4,27.083 h1 r90; Top Overlay "I" at 188.8,27.5 h1 r90; Top Overlay "4" at 195.55,21.186 h1 r90; Top Overlay "5" at 195.55,23.233 h1 r90; Top Overlay "J" at 190.2,27.274 h1 r90; Top Overlay "K" at 191.6,27.083 h1 r90; Top Overlay "6" at 195.55,25.281 h1 r90; Top Overlay "L" at 193,27.179 h1 r90; Mechanical 14 "A" at 176.6,27.75 h1 r270; Mechanical 14 "B" at 178,27.75 h1 r270; Mechanical 14 "C" at 179.4,27.75 h1 r270; Mechanical 14 "D" at 180.8,27.75 h1 r270; Mechanical 14 "E" at 182.2,27.75 h1 r270; Mechanical 14 "F" at 183.6,27.75 h1 r270; Mechanical 14 "1" at 194.55,15.9 h1 r270; Mechanical 14 "2" at 194.55,17.9 h1 r270; Mechanical 14 "3" at 194.55,19.9 h1 r270; Mechanical 14 "G" at 185,27.75 h1 r270; Mechanical 14 "H" at 186.4,27.75 h1 r270; Mechanical 14 "I" at 187.8,27.5 h1 r270; Mechanical 14 "4" at 194.55,21.9 h1 r270; Mechanical 14 "5" at 194.55,23.9 h1 r270; Mechanical 14 "J" at 189.2,27.75 h1 r270; Mechanical 14 "K" at 190.6,27.75 h1 r270; Mechanical 14 "6" at 194.55,25.9 h1 r270; Mechanical 14 "L" at 192,27.75 h1 r270
J11_Slot7: Drill Drawing "Diam. 0.5mm +/-0.05" at 206.83,11.55 h1; Drill Drawing "PRESS-FIT TECHNOLOGY" at 206.83,13.05 h1; Top Overlay "A" at 208.08,26.988 h1 r90; Top Overlay "B" at 209.48,27.083 h1 r90; Top Overlay "C" at 210.88,27.036 h1 r90; Top Overlay "D" at 212.28,27.083 h1 r90; Top Overlay "E" at 213.68,27.131 h1 r90; Top Overlay "F" at 215.08,27.131 h1 r90; Top Overlay "1" at 226.03,15.662 h1 r90; Top Overlay "2" at 226.03,17.233 h1 r90; Top Overlay "3" at 226.03,19.233 h1 r90; Top Overlay "G" at 216.48,27.036 h1 r90; Top Overlay "H" at 217.88,27.083 h1 r90; Top Overlay "I" at 219.28,27.5 h1 r90; Top Overlay "4" at 226.03,21.186 h1 r90; Top Overlay "5" at 226.03,23.233 h1 r90; Top Overlay "J" at 220.68,27.274 h1 r90; Top Overlay "K" at 222.08,27.083 h1 r90; Top Overlay "6" at 226.03,25.281 h1 r90; Top Overlay "L" at 223.48,27.179 h1 r90; Mechanical 14 "A" at 207.08,27.75 h1 r270; Mechanical 14 "B" at 208.48,27.75 h1 r270; Mechanical 14 "C" at 209.88,27.75 h1 r270; Mechanical 14 "D" at 211.28,27.75 h1 r270; Mechanical 14 "E" at 212.68,27.75 h1 r270; Mechanical 14 "F" at 214.08,27.75 h1 r270; Mechanical 14 "1" at 225.03,15.9 h1 r270; Mechanical 14 "2" at 225.03,17.9 h1 r270; Mechanical 14 "3" at 225.03,19.9 h1 r270; Mechanical 14 "G" at 215.48,27.75 h1 r270; Mechanical 14 "H" at 216.88,27.75 h1 r270; Mechanical 14 "I" at 218.28,27.5 h1 r270; Mechanical 14 "4" at 225.03,21.9 h1 r270; Mechanical 14 "5" at 225.03,23.9 h1 r270; Mechanical 14 "J" at 219.68,27.75 h1 r270; Mechanical 14 "K" at 221.08,27.75 h1 r270; Mechanical 14 "6" at 225.03,25.9 h1 r270; Mechanical 14 "L" at 222.48,27.75 h1 r270
J11_Slot8: Drill Drawing "Diam. 0.5mm +/-0.05" at 237.31,11.55 h1; Drill Drawing "PRESS-FIT TECHNOLOGY" at 237.31,13.05 h1; Top Overlay "A" at 238.56,26.988 h1 r90; Top Overlay "B" at 239.96,27.083 h1 r90; Top Overlay "C" at 241.36,27.036 h1 r90; Top Overlay "D" at 242.76,27.083 h1 r90; Top Overlay "E" at 244.16,27.131 h1 r90; Top Overlay "F" at 245.56,27.131 h1 r90; Top Overlay "1" at 256.51,15.662 h1 r90; Top Overlay "2" at 256.51,17.233 h1 r90; Top Overlay "3" at 256.51,19.233 h1 r90; Top Overlay "G" at 246.96,27.036 h1 r90; Top Overlay "H" at 248.36,27.083 h1 r90; Top Overlay "I" at 249.76,27.5 h1 r90; Top Overlay "4" at 256.51,21.186 h1 r90; Top Overlay "5" at 256.51,23.233 h1 r90; Top Overlay "J" at 251.16,27.274 h1 r90; Top Overlay "K" at 252.56,27.083 h1 r90; Top Overlay "6" at 256.51,25.281 h1 r90; Top Overlay "L" at 253.96,27.179 h1 r90; Mechanical 14 "A" at 237.56,27.75 h1 r270; Mechanical 14 "B" at 238.96,27.75 h1 r270; Mechanical 14 "C" at 240.36,27.75 h1 r270; Mechanical 14 "D" at 241.76,27.75 h1 r270; Mechanical 14 "E" at 243.16,27.75 h1 r270; Mechanical 14 "F" at 244.56,27.75 h1 r270; Mechanical 14 "1" at 255.51,15.9 h1 r270; Mechanical 14 "2" at 255.51,17.9 h1 r270; Mechanical 14 "3" at 255.51,19.9 h1 r270; Mechanical 14 "G" at 245.96,27.75 h1 r270; Mechanical 14 "H" at 247.36,27.75 h1 r270; Mechanical 14 "I" at 248.76,27.5 h1 r270; Mechanical 14 "4" at 255.51,21.9 h1 r270; Mechanical 14 "5" at 255.51,23.9 h1 r270; Mechanical 14 "J" at 250.16,27.75 h1 r270; Mechanical 14 "K" at 251.56,27.75 h1 r270; Mechanical 14 "6" at 255.51,25.9 h1 r270; Mechanical 14 "L" at 252.96,27.75 h1 r270